# KiCad board fuyu.kicad_pcb (continued)
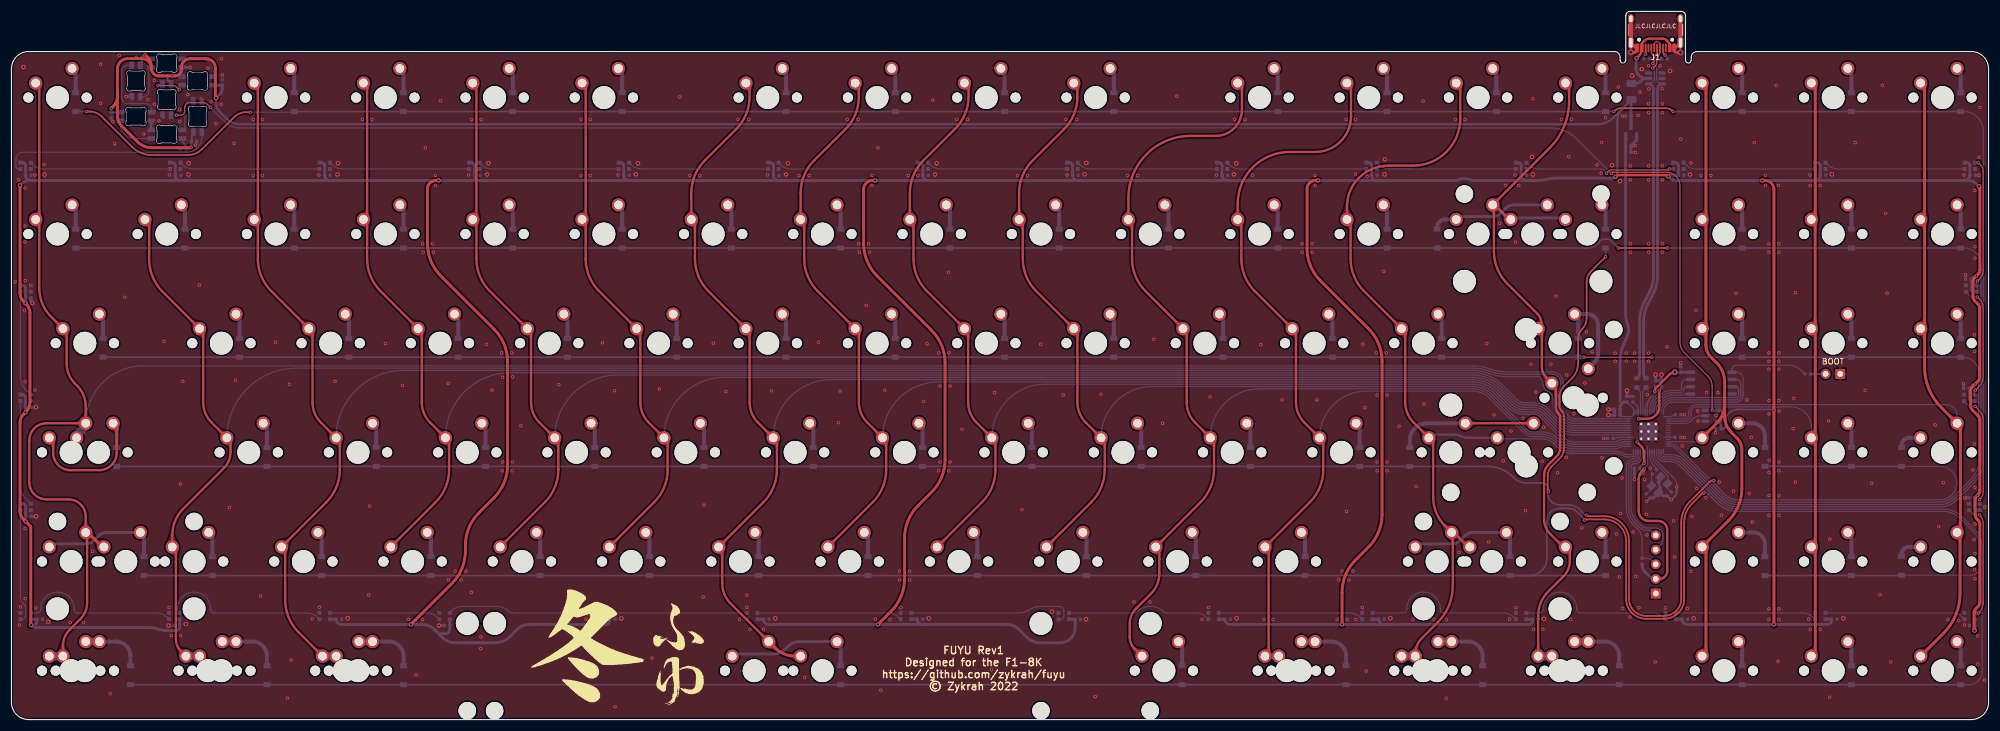
[diagram p0: board, top side]
## Copper pours and planes (outline as drawn; the poured copper is in the pictures) (continued)
SWD on Bottom: 285.25,32.91 285.41,32.9 285.52,32.85 285.61,32.78 285.67,32.69 285.7,32.57 285.73,32.45 285.75,32.31 285.77,32.16 285.8,32.01 285.85,31.86 286.96,31.87 286.65,33.01 286.47,33.02 286.33,33.02 286.2,33.03 286.09,33.05 285.86,33.08 285.74,33.09 285.6,33.1 285.44,33.11 285.25,33.11
XTAL_IN on Bottom: 288.5,42.7 288.6,42.57 288.67,42.45 288.69,42.34 288.68,42.22 288.64,42.1 288.57,41.99 288.49,41.87 288.4,41.75 288.3,41.63 288.2,41.5 288.61,40.84 289.09,41.57 288.98,41.7 288.92,41.82 288.89,41.94 288.88,42.06 288.88,42.19 288.88,42.31 288.86,42.44 288.83,42.57 288.75,42.71 288.63,42.84
XTAL_IN on Bottom: 289.06,40.14 288.99,40.22 288.96,40.29 288.95,40.36 288.96,40.43 288.98,40.5 289.02,40.56 289.07,40.64 289.12,40.71 289.17,40.79 289.21,40.88 288.67,41.44 288.25,40.71 288.33,40.63 288.4,40.56 288.46,40.49 288.68,40.25 288.74,40.18 288.82,40.09 288.92,40
~{RESET} on Bottom: 285.27,27.99 285.44,27.93 285.56,27.85 285.64,27.76 285.69,27.65 285.73,27.53 285.74,27.4 285.76,27.25 285.77,27.1 285.8,26.95 285.85,26.78 286.95,26.79 286.86,27.9 286.68,27.95 286.52,27.98 286.38,28 286.25,28.02 286,28.05 285.86,28.07 285.71,28.09 285.53,28.13 285.32,28.18
Net-(D1-Pad2) on Bottom: 11.55,111.5 11.55,111.79 11.57,112.04 11.59,112.26 11.61,112.44 11.63,112.62 11.66,112.79 11.68,112.96 11.7,113.15 11.71,113.37 11.72,113.62 10.25,114.1 9.98,112.63 10.13,112.54 10.27,112.46 10.4,112.38 10.51,112.3 10.61,112.22 10.69,112.12 10.76,112 10.81,111.86 10.84,111.7 10.85,111.5
Net-(D2-Pad2) on Bottom: 49.65,111.5 49.65,111.79 49.67,112.04 49.69,112.26 49.71,112.44 49.73,112.62 49.76,112.79 49.78,112.96 49.8,113.15 49.81,113.37 49.81,113.62 48.35,114.1 48.08,112.63 48.23,112.54 48.37,112.46 48.5,112.38 48.61,112.3 48.71,112.22 48.79,112.12 48.86,112 48.91,111.86 48.94,111.7 48.95,111.5
Net-(D3-Pad2) on Bottom: 68.7,111.5 68.7,111.79 68.72,112.04 68.74,112.26 68.76,112.44 68.78,112.62 68.81,112.79 68.83,112.96 68.85,113.15 68.86,113.37 68.87,113.62 67.4,114.1 67.13,112.63 67.28,112.54 67.42,112.46 67.55,112.38 67.66,112.3 67.76,112.22 67.84,112.12 67.91,112 67.96,111.86 67.99,111.7 68,111.5
Net-(D4-Pad2) on Bottom: 87.75,111.5 87.75,111.79 87.77,112.04 87.79,112.26 87.81,112.44 87.83,112.62 87.86,112.79 87.88,112.96 87.9,113.15 87.91,113.37 87.92,113.62 86.45,114.1 86.18,112.63 86.33,112.54 86.47,112.46 86.6,112.38 86.71,112.3 86.81,112.22 86.89,112.12 86.96,112 87.01,111.86 87.04,111.7 87.05,111.5
Net-(D5-Pad2) on Bottom: 106.8,111.5 106.8,111.79 106.82,112.04 106.84,112.26 106.86,112.44 106.88,112.62 106.91,112.79 106.93,112.96 106.95,113.15 106.96,113.37 106.96,113.62 105.5,114.1 105.23,112.63 105.38,112.54 105.52,112.46 105.65,112.38 105.76,112.3 105.86,112.22 105.94,112.12 106.01,112 106.06,111.86 106.09,111.7 106.1,111.5
Net-(D6-Pad2) on Bottom: 135.38,111.5 135.38,111.79 135.39,112.04 135.41,112.26 135.43,112.44 135.46,112.62 135.48,112.79 135.5,112.96 135.52,113.15 135.54,113.37 135.54,113.62 134.07,114.1 133.8,112.63 133.95,112.54 134.09,112.46 134.22,112.38 134.34,112.3 134.43,112.22 134.52,112.12 134.59,112 134.63,111.86 134.66,111.7 134.68,111.5
Net-(D7-Pad2) on Bottom: 154.43,111.5 154.43,111.79 154.44,112.04 154.46,112.26 154.48,112.44 154.51,112.62 154.53,112.79 154.55,112.96 154.57,113.15 154.59,113.37 154.59,113.62 153.12,114.1 152.85,112.63 153,112.54 153.14,112.46 153.27,112.38 153.39,112.3 153.48,112.22 153.57,112.12 153.64,112 153.68,111.86 153.71,111.7 153.73,111.5
Net-(D8-Pad2) on Bottom: 173.48,111.5 173.48,111.79 173.49,112.04 173.51,112.25 173.53,112.44 173.56,112.62 173.58,112.79 173.6,112.96 173.62,113.15 173.64,113.37 173.64,113.62 172.17,114.1 171.9,112.63 172.05,112.54 172.19,112.46 172.32,112.38 172.43,112.3 172.53,112.22 172.62,112.12 172.69,112 172.73,111.86 172.76,111.7 172.77,111.5
Net-(D9-Pad2) on Bottom: 192.52,111.5 192.53,111.79 192.54,112.04 192.56,112.25 192.58,112.44 192.61,112.62 192.63,112.79 192.65,112.96 192.67,113.15 192.69,113.37 192.69,113.62 191.22,114.1 190.95,112.63 191.1,112.54 191.24,112.46 191.37,112.38 191.48,112.3 191.58,112.22 191.67,112.12 191.74,112 191.78,111.86 191.81,111.7 191.82,111.5
Net-(D10-Pad2) on Bottom: 221.1,111.5 221.1,111.79 221.12,112.04 221.14,112.26 221.16,112.44 221.18,112.62 221.21,112.79 221.23,112.96 221.25,113.15 221.26,113.37 221.27,113.62 219.8,114.1 219.53,112.63 219.68,112.54 219.82,112.46 219.95,112.38 220.06,112.3 220.16,112.22 220.24,112.12 220.31,112 220.36,111.86 220.39,111.7 220.4,111.5
Net-(D11-Pad2) on Bottom: 240.15,111.5 240.15,111.79 240.17,112.04 240.19,112.26 240.21,112.44 240.23,112.62 240.26,112.79 240.28,112.96 240.3,113.15 240.31,113.37 240.31,113.62 238.85,114.1 238.58,112.63 238.73,112.54 238.87,112.46 239,112.38 239.11,112.3 239.21,112.22 239.29,112.12 239.36,112 239.41,111.86 239.44,111.7 239.45,111.5
Net-(D12-Pad2) on Bottom: 259.2,111.5 259.2,111.79 259.22,112.04 259.24,112.26 259.26,112.44 259.28,112.62 259.31,112.79 259.33,112.96 259.35,113.15 259.36,113.37 259.37,113.62 257.9,114.1 257.63,112.63 257.78,112.54 257.92,112.46 258.05,112.38 258.16,112.3 258.26,112.22 258.34,112.12 258.41,112 258.46,111.86 258.49,111.7 258.5,111.5
Net-(D13-Pad2) on Bottom: 278.25,111.5 278.25,111.79 278.27,112.04 278.29,112.26 278.31,112.44 278.33,112.62 278.36,112.79 278.38,112.96 278.4,113.15 278.41,113.37 278.42,113.62 276.95,114.1 276.68,112.63 276.83,112.54 276.97,112.46 277.1,112.38 277.21,112.3 277.31,112.22 277.39,112.12 277.46,112 277.51,111.86 277.54,111.7 277.55,111.5
Net-(D14-Pad2) on Bottom: 302.06,111.5 302.07,111.79 302.08,112.04 302.1,112.26 302.12,112.44 302.15,112.62 302.17,112.79 302.19,112.96 302.21,113.15 302.22,113.37 302.23,113.62 300.76,114.1 300.49,112.63 300.64,112.54 300.78,112.46 300.91,112.38 301.02,112.3 301.12,112.22 301.21,112.12 301.27,112 301.32,111.86 301.35,111.7 301.36,111.5
Net-(D15-Pad2) on Bottom: 321.11,111.5 321.12,111.79 321.13,112.04 321.15,112.26 321.17,112.44 321.19,112.62 321.22,112.79 321.24,112.96 321.26,113.15 321.27,113.37 321.28,113.62 319.81,114.1 319.54,112.63 319.69,112.54 319.83,112.46 319.96,112.38 320.07,112.3 320.17,112.22 320.26,112.12 320.32,112 320.37,111.86 320.4,111.7 320.41,111.5
Net-(D16-Pad2) on Bottom: 340.16,111.5 340.17,111.79 340.18,112.04 340.2,112.26 340.22,112.44 340.25,112.62 340.27,112.79 340.29,112.96 340.31,113.15 340.32,113.37 340.33,113.62 338.86,114.1 338.59,112.63 338.74,112.54 338.88,112.46 339.01,112.38 339.12,112.3 339.22,112.22 339.31,112.12 339.37,112 339.42,111.86 339.45,111.7 339.46,111.5
Net-(D17-Pad2) on Bottom: 11.55,87.69 11.55,87.98 11.57,88.23 11.59,88.44 11.61,88.63 11.63,88.8 11.66,88.97 11.68,89.15 11.7,89.34 11.71,89.55 11.72,89.81 10.25,90.29 9.98,88.82 10.13,88.73 10.27,88.65 10.4,88.57 10.51,88.49 10.61,88.4 10.69,88.3 10.76,88.19 10.81,88.05 10.84,87.89 10.85,87.69
Net-(D18-Pad2) on Bottom: 30.6,87.69 30.6,87.98 30.62,88.23 30.64,88.44 30.66,88.63 30.68,88.8 30.71,88.97 30.73,89.15 30.75,89.34 30.76,89.55 30.77,89.81 29.3,90.29 29.03,88.82 29.18,88.73 29.32,88.65 29.45,88.57 29.56,88.49 29.66,88.4 29.74,88.3 29.81,88.19 29.86,88.05 29.89,87.89 29.9,87.69
Net-(D19-Pad2) on Bottom: 49.65,87.69 49.65,87.98 49.67,88.23 49.69,88.44 49.71,88.63 49.73,88.8 49.76,88.97 49.78,89.15 49.8,89.34 49.81,89.55 49.81,89.81 48.35,90.29 48.08,88.82 48.23,88.73 48.37,88.65 48.5,88.57 48.61,88.49 48.71,88.4 48.79,88.3 48.86,88.19 48.91,88.05 48.94,87.89 48.95,87.69
Net-(D20-Pad2) on Bottom: 68.7,87.69 68.7,87.98 68.72,88.23 68.74,88.44 68.76,88.63 68.78,88.8 68.81,88.97 68.83,89.15 68.85,89.34 68.86,89.55 68.87,89.81 67.4,90.29 67.13,88.82 67.28,88.73 67.42,88.65 67.55,88.57 67.66,88.49 67.76,88.4 67.84,88.3 67.91,88.19 67.96,88.05 67.99,87.89 68,87.69
Net-(D21-Pad2) on Bottom: 87.75,87.69 87.75,87.98 87.77,88.23 87.79,88.44 87.81,88.63 87.83,88.8 87.86,88.97 87.88,89.15 87.9,89.34 87.91,89.55 87.92,89.81 86.45,90.29 86.18,88.82 86.33,88.73 86.47,88.65 86.6,88.57 86.71,88.49 86.81,88.4 86.89,88.3 86.96,88.19 87.01,88.05 87.04,87.89 87.05,87.69
Net-(D22-Pad2) on Bottom: 106.8,87.69 106.8,87.98 106.82,88.23 106.84,88.44 106.86,88.63 106.88,88.8 106.91,88.97 106.93,89.15 106.95,89.34 106.96,89.55 106.96,89.81 105.5,90.29 105.23,88.82 105.38,88.73 105.52,88.65 105.65,88.57 105.76,88.49 105.86,88.4 105.94,88.3 106.01,88.19 106.06,88.05 106.09,87.89 106.1,87.69
Net-(D23-Pad2) on Bottom: 125.85,87.69 125.85,87.98 125.87,88.23 125.89,88.44 125.91,88.63 125.93,88.8 125.96,88.97 125.98,89.15 126,89.34 126.01,89.55 126.02,89.81 124.55,90.29 124.28,88.82 124.43,88.73 124.57,88.65 124.7,88.57 124.81,88.49 124.91,88.4 124.99,88.3 125.06,88.19 125.11,88.05 125.14,87.89 125.15,87.69
Net-(D24-Pad2) on Bottom: 144.9,87.69 144.9,87.98 144.92,88.23 144.94,88.44 144.96,88.63 144.98,88.8 145.01,88.97 145.03,89.15 145.05,89.34 145.06,89.55 145.06,89.81 143.6,90.29 143.33,88.82 143.48,88.73 143.62,88.65 143.75,88.57 143.86,88.49 143.96,88.4 144.04,88.3 144.11,88.19 144.16,88.05 144.19,87.89 144.2,87.69
Net-(D25-Pad2) on Bottom: 163.95,87.69 163.95,87.98 163.97,88.23 163.99,88.44 164.01,88.63 164.03,88.8 164.06,88.97 164.08,89.15 164.1,89.34 164.11,89.55 164.12,89.81 162.65,90.29 162.38,88.82 162.53,88.73 162.67,88.65 162.8,88.57 162.91,88.49 163.01,88.4 163.09,88.3 163.16,88.19 163.21,88.05 163.24,87.89 163.25,87.69
Net-(D26-Pad2) on Bottom: 183,87.69 183,87.98 183.02,88.23 183.04,88.44 183.06,88.63 183.08,88.8 183.11,88.97 183.13,89.15 183.15,89.34 183.16,89.55 183.17,89.81 181.7,90.29 181.43,88.82 181.58,88.73 181.72,88.65 181.85,88.57 181.96,88.49 182.06,88.4 182.14,88.3 182.21,88.19 182.26,88.05 182.29,87.89 182.3,87.69
Net-(D27-Pad2) on Bottom: 202.05,87.69 202.05,87.98 202.07,88.23 202.09,88.44 202.11,88.63 202.13,88.8 202.16,88.97 202.18,89.15 202.2,89.34 202.21,89.55 202.21,89.81 200.75,90.29 200.48,88.82 200.63,88.73 200.77,88.65 200.9,88.57 201.01,88.49 201.11,88.4 201.19,88.3 201.26,88.19 201.31,88.05 201.34,87.89 201.35,87.69
Net-(D28-Pad2) on Bottom: 221.1,87.69 221.1,87.98 221.12,88.23 221.14,88.44 221.16,88.63 221.18,88.8 221.21,88.97 221.23,89.15 221.25,89.34 221.26,89.55 221.27,89.81 219.8,90.29 219.53,88.82 219.68,88.73 219.82,88.65 219.95,88.57 220.06,88.49 220.16,88.4 220.24,88.3 220.31,88.19 220.36,88.05 220.39,87.89 220.4,87.69
Net-(D29-Pad2) on Bottom: 240.15,87.69 240.15,87.98 240.17,88.23 240.19,88.44 240.21,88.63 240.23,88.8 240.26,88.97 240.28,89.15 240.3,89.34 240.31,89.55 240.31,89.81 238.85,90.29 238.58,88.82 238.73,88.73 238.87,88.65 239,88.57 239.11,88.49 239.21,88.4 239.29,88.3 239.36,88.19 239.41,88.05 239.44,87.89 239.45,87.69
Net-(D30-Pad2) on Bottom: 249.13,86.57 249.35,86.78 249.56,86.91 249.77,86.95 249.99,86.94 250.2,86.88 250.41,86.78 250.64,86.65 250.87,86.51 251.11,86.37 251.36,86.23 252.44,87.27 251,88.02 250.78,87.82 250.55,87.69 250.32,87.62 250.09,87.59 249.85,87.58 249.6,87.56 249.36,87.52 249.11,87.43 248.86,87.28 248.6,87.03
Net-(D30-Pad2) on Bottom: 265.45,89.56 265.72,89.54 265.94,89.51 266.12,89.46 266.28,89.39 266.42,89.3 266.56,89.21 266.7,89.1 266.85,88.99 267.03,88.88 267.24,88.77 268.31,89.81 267.24,90.84 267.03,90.73 266.85,90.62 266.7,90.51 266.56,90.4 266.42,90.31 266.28,90.22 266.12,90.15 265.94,90.1 265.72,90.07 265.45,90.06
Net-(D30-Pad2) on Bottom: 254.05,88.04 253.74,88.05 253.49,88.08 253.27,88.12 253.08,88.17 252.9,88.23 252.73,88.28 252.55,88.33 252.36,88.38 252.13,88.4 251.87,88.42 251.35,87.01 252.78,86.57 252.9,86.73 253,86.88 253.09,87.02 253.18,87.15 253.27,87.26 253.38,87.36 253.5,87.43 253.65,87.49 253.83,87.53 254.05,87.54
Net-(D30-Pad2) on Bottom: 248.33,86.61 248.29,86.5 248.25,86.4 248.23,86.31 248.22,86.22 248.21,86.14 248.2,86.06 248.19,85.99 248.18,85.92 248.16,85.86 248.14,85.8 248.52,85.36 248.94,85.76 248.93,85.8 248.91,85.85 248.9,85.9 248.89,85.95 248.89,86 248.89,86.06 248.9,86.12 248.92,86.18 248.94,86.25 248.97,86.33
Net-(D31-Pad2) on Bottom: 278.25,87.69 278.25,87.98 278.27,88.23 278.29,88.44 278.31,88.63 278.33,88.8 278.36,88.97 278.38,89.15 278.4,89.34 278.41,89.55 278.42,89.81 276.95,90.29 276.68,88.82 276.83,88.73 276.97,88.65 277.1,88.57 277.21,88.49 277.31,88.4 277.39,88.3 277.46,88.19 277.51,88.05 277.54,87.89 277.55,87.69
Net-(D32-Pad2) on Bottom: 302.06,87.69 302.07,87.98 302.08,88.23 302.1,88.44 302.12,88.63 302.15,88.8 302.17,88.97 302.19,89.15 302.21,89.34 302.22,89.55 302.23,89.81 300.76,90.29 300.49,88.82 300.64,88.73 300.78,88.65 300.91,88.57 301.02,88.49 301.12,88.4 301.21,88.3 301.27,88.19 301.32,88.05 301.35,87.89 301.36,87.69
Net-(D33-Pad2) on Bottom: 321.11,87.69 321.12,87.98 321.13,88.23 321.15,88.44 321.17,88.63 321.19,88.8 321.22,88.97 321.24,89.15 321.26,89.34 321.27,89.55 321.28,89.81 319.81,90.29 319.54,88.82 319.69,88.73 319.83,88.65 319.96,88.57 320.07,88.49 320.17,88.4 320.26,88.3 320.32,88.19 320.37,88.05 320.4,87.89 320.41,87.69
Net-(D34-Pad2) on Bottom: 340.16,87.69 340.17,87.98 340.18,88.23 340.2,88.44 340.22,88.63 340.25,88.8 340.27,88.97 340.29,89.15 340.31,89.34 340.32,89.55 340.33,89.81 338.86,90.29 338.59,88.82 338.74,88.73 338.88,88.65 339.01,88.57 339.12,88.49 339.22,88.4 339.31,88.3 339.37,88.19 339.42,88.05 339.45,87.89 339.46,87.69
Net-(D35-Pad2) on Bottom: 16.31,68.64 16.32,68.93 16.33,69.18 16.35,69.39 16.37,69.58 16.4,69.75 16.42,69.92 16.44,70.1 16.46,70.29 16.47,70.5 16.48,70.76 15.01,71.24 14.74,69.77 14.89,69.68 15.03,69.6 15.16,69.52 15.27,69.44 15.37,69.35 15.46,69.25 15.52,69.14 15.57,69 15.6,68.84 15.61,68.64
Net-(D36-Pad2) on Bottom: 40.12,68.64 40.13,68.93 40.14,69.18 40.16,69.39 40.18,69.58 40.21,69.75 40.23,69.92 40.25,70.1 40.27,70.29 40.29,70.5 40.29,70.76 38.82,71.24 38.55,69.77 38.7,69.68 38.84,69.6 38.97,69.52 39.09,69.44 39.18,69.35 39.27,69.25 39.34,69.14 39.38,69 39.41,68.84 39.42,68.64
Net-(D37-Pad2) on Bottom: 59.17,68.64 59.18,68.93 59.19,69.18 59.21,69.39 59.23,69.58 59.26,69.75 59.28,69.92 59.3,70.1 59.32,70.29 59.34,70.5 59.34,70.76 57.87,71.24 57.6,69.77 57.75,69.68 57.89,69.6 58.02,69.52 58.14,69.44 58.23,69.35 58.32,69.25 58.39,69.14 58.43,69 58.46,68.84 58.48,68.64
Net-(D38-Pad2) on Bottom: 78.23,68.64 78.23,68.93 78.24,69.18 78.26,69.39 78.28,69.58 78.31,69.75 78.33,69.92 78.35,70.1 78.37,70.29 78.39,70.5 78.39,70.76 76.92,71.24 76.65,69.77 76.8,69.68 76.94,69.6 77.07,69.52 77.19,69.44 77.28,69.35 77.37,69.25 77.44,69.14 77.48,69 77.51,68.84 77.53,68.64
Net-(D39-Pad2) on Bottom: 97.27,68.64 97.28,68.93 97.29,69.18 97.31,69.39 97.33,69.58 97.36,69.75 97.38,69.92 97.4,70.1 97.42,70.29 97.44,70.5 97.44,70.76 95.97,71.24 95.7,69.77 95.85,69.68 95.99,69.6 96.12,69.52 96.24,69.44 96.33,69.35 96.42,69.25 96.49,69.14 96.53,69 96.56,68.84 96.58,68.64
Net-(D40-Pad2) on Bottom: 116.33,68.64 116.33,68.93 116.34,69.18 116.36,69.39 116.38,69.58 116.41,69.75 116.43,69.92 116.45,70.1 116.47,70.29 116.49,70.5 116.49,70.76 115.02,71.24 114.75,69.77 114.9,69.68 115.04,69.6 115.17,69.52 115.29,69.44 115.38,69.35 115.47,69.25 115.54,69.14 115.58,69 115.61,68.84 115.63,68.64
Net-(D41-Pad2) on Bottom: 135.38,68.64 135.38,68.93 135.39,69.18 135.41,69.39 135.43,69.58 135.46,69.75 135.48,69.92 135.5,70.1 135.52,70.29 135.54,70.5 135.54,70.76 134.07,71.24 133.8,69.77 133.95,69.68 134.09,69.6 134.22,69.52 134.34,69.44 134.43,69.35 134.52,69.25 134.59,69.14 134.63,69 134.66,68.84 134.68,68.64
Net-(D42-Pad2) on Bottom: 154.43,68.64 154.43,68.93 154.44,69.18 154.46,69.39 154.48,69.58 154.51,69.75 154.53,69.92 154.55,70.1 154.57,70.29 154.59,70.5 154.59,70.76 153.12,71.24 152.85,69.77 153,69.68 153.14,69.6 153.27,69.52 153.39,69.44 153.48,69.35 153.57,69.25 153.64,69.14 153.68,69 153.71,68.84 153.73,68.64
Net-(D43-Pad2) on Bottom: 173.48,68.64 173.48,68.93 173.49,69.18 173.51,69.39 173.53,69.58 173.56,69.75 173.58,69.92 173.6,70.1 173.62,70.29 173.64,70.5 173.64,70.76 172.17,71.24 171.9,69.77 172.05,69.68 172.19,69.6 172.32,69.52 172.44,69.44 172.53,69.35 172.62,69.25 172.69,69.14 172.73,69 172.76,68.84 172.77,68.64
Net-(D44-Pad2) on Bottom: 192.52,68.64 192.53,68.93 192.54,69.18 192.56,69.39 192.58,69.58 192.61,69.75 192.63,69.92 192.65,70.1 192.67,70.29 192.69,70.5 192.69,70.76 191.22,71.24 190.95,69.77 191.1,69.68 191.24,69.6 191.37,69.52 191.49,69.44 191.58,69.35 191.67,69.25 191.74,69.14 191.78,69 191.81,68.84 191.82,68.64
Net-(D45-Pad2) on Bottom: 211.57,68.64 211.58,68.93 211.59,69.18 211.61,69.39 211.63,69.58 211.66,69.75 211.68,69.92 211.7,70.1 211.72,70.29 211.74,70.5 211.74,70.76 210.27,71.24 210,69.77 210.15,69.68 210.29,69.6 210.42,69.52 210.54,69.44 210.63,69.35 210.72,69.25 210.79,69.14 210.83,69 210.86,68.84 210.88,68.64
Net-(D46-Pad2) on Bottom: 230.62,68.64 230.63,68.93 230.64,69.18 230.66,69.39 230.68,69.58 230.71,69.75 230.73,69.92 230.75,70.1 230.77,70.29 230.79,70.5 230.79,70.76 229.32,71.24 229.05,69.77 229.2,69.68 229.34,69.6 229.47,69.52 229.59,69.44 229.68,69.35 229.77,69.25 229.84,69.14 229.88,69 229.91,68.84 229.93,68.64
Net-(D47-Pad2) on Bottom: 249.68,68.64 249.68,68.93 249.69,69.18 249.71,69.39 249.73,69.58 249.76,69.75 249.78,69.92 249.8,70.1 249.82,70.29 249.84,70.5 249.84,70.76 248.37,71.24 248.1,69.77 248.25,69.68 248.39,69.6 248.52,69.52 248.64,69.44 248.73,69.35 248.82,69.25 248.89,69.14 248.93,69 248.96,68.84 248.98,68.64
Net-(D48-Pad2) on Bottom: 275.98,70.71 275.63,70.92 275.32,71.07 275.03,71.16 274.76,71.21 274.5,71.25 274.25,71.28 274,71.33 273.74,71.4 273.46,71.52 273.16,71.7 271.93,70.76 273,69.72 273.29,69.87 273.56,70.02 273.8,70.16 274.04,70.29 274.27,70.39 274.5,70.45 274.74,70.46 275,70.42 275.28,70.31 275.58,70.13
Net-(D48-Pad2) on Bottom: 273.49,68.64 273.49,68.93 273.5,69.18 273.52,69.39 273.55,69.58 273.57,69.75 273.59,69.92 273.62,70.1 273.64,70.29 273.65,70.5 273.65,70.76 272.19,71.24 271.91,69.77 272.07,69.68 272.21,69.6 272.33,69.52 272.45,69.44 272.55,69.35 272.63,69.25 272.7,69.14 272.75,69 272.78,68.84 272.79,68.64
Net-(D48-Pad2) on Bottom: 276.18,63.35 276.08,63.1 275.97,62.91 275.84,62.77 275.7,62.66 275.54,62.59 275.36,62.53 275.17,62.48 274.96,62.44 274.74,62.39 274.51,62.32 274.48,60.82 275.99,60.91 276.07,61.18 276.16,61.41 276.24,61.61 276.32,61.79 276.4,61.97 276.48,62.15 276.57,62.35 276.66,62.57 276.75,62.84 276.85,63.16
Net-(D49-Pad2) on Bottom: 302.06,68.64 302.07,68.93 302.08,69.18 302.1,69.39 302.12,69.58 302.15,69.75 302.17,69.92 302.19,70.1 302.21,70.29 302.22,70.5 302.23,70.76 300.76,71.24 300.49,69.77 300.64,69.68 300.78,69.6 300.91,69.52 301.02,69.44 301.12,69.35 301.21,69.25 301.27,69.14 301.32,69 301.35,68.84 301.36,68.64
Net-(D50-Pad2) on Bottom: 321.11,68.64 321.12,68.93 321.13,69.18 321.15,69.39 321.17,69.58 321.19,69.75 321.22,69.92 321.24,70.1 321.26,70.29 321.27,70.5 321.28,70.76 319.81,71.24 319.54,69.77 319.69,69.68 319.83,69.6 319.96,69.52 320.07,69.44 320.17,69.35 320.26,69.25 320.32,69.14 320.37,69 320.4,68.84 320.41,68.64
Net-(D51-Pad2) on Bottom: 340.16,68.64 340.17,68.93 340.18,69.18 340.2,69.39 340.22,69.58 340.25,69.75 340.27,69.92 340.29,70.1 340.31,70.29 340.32,70.5 340.33,70.76 338.86,71.24 338.59,69.77 338.74,69.68 338.88,69.6 339.01,69.52 339.12,69.44 339.22,69.35 339.31,69.25 339.37,69.14 339.42,69 339.45,68.84 339.46,68.64
Net-(D52-Pad2) on Top: 18.55,49.59 18.55,49.88 18.58,50.13 18.61,50.34 18.66,50.52 18.7,50.7 18.75,50.86 18.79,51.04 18.83,51.23 18.85,51.45 18.86,51.7 17.39,52.19 17.12,50.72 17.29,50.62 17.6,50.47 17.73,50.39 17.85,50.31 17.95,50.22 18.03,50.1 18.09,49.97 18.13,49.8 18.15,49.59
Net-(D52-Pad2) on Top: 7.48,47.09 7.49,47.37 7.51,47.62 7.54,47.82 7.58,48.01 7.62,48.17 7.65,48.34 7.69,48.51 7.72,48.7 7.74,48.91 7.75,49.17 6.25,49.63 6.06,48.15 6.23,48.06 6.54,47.92 6.67,47.86 6.79,47.78 6.89,47.69 6.97,47.58 7.03,47.45 7.07,47.29 7.09,47.09
Net-(D52-Pad2) on Bottom: 18.69,49.59 18.7,49.88 18.71,50.13 18.73,50.34 18.75,50.53 18.78,50.7 18.8,50.87 18.82,51.05 18.84,51.24 18.85,51.45 18.86,51.7 17.39,52.19 17.12,50.72 17.27,50.63 17.41,50.55 17.54,50.47 17.65,50.39 17.75,50.3 17.84,50.2 17.9,50.09 17.95,49.95 17.98,49.79 17.99,49.59
Net-(D53-Pad2) on Bottom: 44.89,49.59 44.89,49.88 44.9,50.13 44.92,50.34 44.95,50.53 44.97,50.7 44.99,50.87 45.02,51.05 45.04,51.24 45.05,51.45 45.05,51.7 43.59,52.19 43.31,50.72 43.47,50.63 43.61,50.55 43.73,50.47 43.85,50.39 43.95,50.3 44.03,50.2 44.1,50.09 44.15,49.95 44.18,49.79 44.19,49.59
Net-(D54-Pad2) on Bottom: 63.94,49.59 63.94,49.88 63.95,50.13 63.97,50.34 64,50.53 64.02,50.7 64.04,50.87 64.07,51.05 64.09,51.24 64.1,51.45 64.1,51.7 62.64,52.19 62.36,50.72 62.52,50.63 62.66,50.55 62.78,50.47 62.9,50.39 63,50.3 63.08,50.2 63.15,50.09 63.2,49.95 63.23,49.79 63.24,49.59
Net-(D55-Pad2) on Bottom: 82.99,49.59 82.99,49.88 83,50.13 83.02,50.34 83.05,50.53 83.07,50.7 83.09,50.87 83.12,51.05 83.14,51.24 83.15,51.45 83.15,51.7 81.69,52.19 81.41,50.72 81.57,50.63 81.71,50.55 81.83,50.47 81.95,50.39 82.05,50.3 82.13,50.2 82.2,50.09 82.25,49.95 82.28,49.79 82.29,49.59
Net-(D56-Pad2) on Bottom: 102.04,49.59 102.04,49.88 102.05,50.13 102.07,50.34 102.1,50.53 102.12,50.7 102.14,50.87 102.17,51.05 102.19,51.24 102.2,51.45 102.2,51.7 100.74,52.19 100.46,50.72 100.62,50.63 100.76,50.55 100.88,50.47 101,50.39 101.1,50.3 101.18,50.2 101.25,50.09 101.3,49.95 101.33,49.79 101.34,49.59
Net-(D57-Pad2) on Bottom: 121.09,49.59 121.09,49.88 121.1,50.13 121.12,50.34 121.15,50.53 121.17,50.7 121.19,50.87 121.22,51.05 121.24,51.24 121.25,51.45 121.25,51.7 119.79,52.19 119.51,50.72 119.67,50.63 119.81,50.55 119.93,50.47 120.05,50.39 120.15,50.3 120.23,50.2 120.3,50.09 120.35,49.95 120.38,49.79 120.39,49.59
Net-(D58-Pad2) on Bottom: 140.14,49.59 140.14,49.88 140.15,50.13 140.17,50.34 140.2,50.53 140.22,50.7 140.24,50.87 140.27,51.05 140.29,51.24 140.3,51.45 140.3,51.7 138.84,52.19 138.56,50.72 138.72,50.63 138.86,50.55 138.98,50.47 139.1,50.39 139.2,50.3 139.28,50.2 139.35,50.09 139.4,49.95 139.43,49.79 139.44,49.59
Net-(D59-Pad2) on Bottom: 159.19,49.59 159.19,49.88 159.2,50.13 159.22,50.34 159.25,50.53 159.27,50.7 159.29,50.87 159.32,51.05 159.34,51.24 159.35,51.45 159.35,51.7 157.89,52.19 157.61,50.72 157.77,50.63 157.91,50.55 158.03,50.47 158.15,50.39 158.25,50.3 158.33,50.2 158.4,50.09 158.45,49.95 158.48,49.79 158.49,49.59
Net-(D60-Pad2) on Bottom: 178.24,49.59 178.24,49.88 178.25,50.13 178.27,50.34 178.3,50.53 178.32,50.7 178.34,50.87 178.37,51.05 178.39,51.24 178.4,51.45 178.4,51.7 176.94,52.19 176.66,50.72 176.82,50.63 176.96,50.55 177.08,50.47 177.2,50.39 177.3,50.3 177.38,50.2 177.45,50.09 177.5,49.95 177.53,49.79 177.54,49.59
Net-(D61-Pad2) on Bottom: 197.29,49.59 197.29,49.88 197.3,50.13 197.32,50.34 197.35,50.53 197.37,50.7 197.39,50.87 197.42,51.05 197.44,51.24 197.45,51.45 197.45,51.7 195.99,52.19 195.71,50.72 195.87,50.63 196.01,50.55 196.13,50.47 196.25,50.39 196.35,50.3 196.43,50.2 196.5,50.09 196.55,49.95 196.58,49.79 196.59,49.59
Net-(D62-Pad2) on Bottom: 216.34,49.59 216.34,49.88 216.35,50.13 216.37,50.34 216.4,50.53 216.42,50.7 216.44,50.87 216.47,51.05 216.49,51.24 216.5,51.45 216.5,51.7 215.04,52.19 214.76,50.72 214.92,50.63 215.06,50.55 215.18,50.47 215.3,50.39 215.4,50.3 215.48,50.2 215.55,50.09 215.6,49.95 215.63,49.79 215.64,49.59
Net-(D63-Pad2) on Bottom: 235.39,49.59 235.39,49.88 235.4,50.13 235.42,50.34 235.45,50.53 235.47,50.7 235.49,50.87 235.52,51.05 235.54,51.24 235.55,51.45 235.55,51.7 234.09,52.19 233.81,50.72 233.97,50.63 234.11,50.55 234.23,50.47 234.35,50.39 234.45,50.3 234.53,50.2 234.6,50.09 234.65,49.95 234.68,49.79 234.69,49.59
Net-(D64-Pad2) on Top: 255.74,51.91 255.47,51.92 255.25,51.96 255.07,52.01 254.91,52.09 254.77,52.18 254.64,52.28 254.5,52.39 254.34,52.51 254.17,52.62 253.95,52.74 252.88,51.7 253.95,50.67 254.17,50.79 254.34,50.9 254.5,51.02 254.64,51.13 254.77,51.23 254.91,51.32 255.07,51.4 255.25,51.45 255.47,51.49 255.74,51.51
Net-(D64-Pad2) on Top: 263.07,51.51 263.34,51.49 263.56,51.45 263.74,51.4 263.9,51.32 264.04,51.23 264.17,51.13 264.31,51.02 264.47,50.9 264.64,50.79 264.86,50.67 265.93,51.7 264.86,52.74 264.64,52.62 264.47,52.51 264.31,52.39 264.17,52.28 264.04,52.18 263.9,52.09 263.74,52.01 263.56,51.96 263.34,51.92 263.07,51.91
Net-(D64-Pad2) on Bottom: 251.16,51.36 251.43,51.35 251.65,51.32 251.83,51.27 251.99,51.22 252.14,51.15 252.28,51.07 252.57,50.88 252.75,50.78 252.95,50.67 254.03,51.7 252.95,52.74 252.75,52.63 252.57,52.53 252.28,52.34 252.14,52.26 251.99,52.19 251.83,52.14 251.65,52.09 251.43,52.06 251.16,52.06
Net-(D65-Pad2) on Bottom: 303.37,52.06 303.1,52.06 302.88,52.09 302.7,52.14 302.54,52.19 302.39,52.26 302.25,52.34 301.96,52.53 301.78,52.63 301.58,52.74 300.5,51.7 301.58,50.67 301.78,50.78 301.96,50.88 302.25,51.07 302.39,51.15 302.54,51.22 302.7,51.27 302.88,51.32 303.1,51.35 303.37,51.36
Net-(D66-Pad2) on Bottom: 321.11,49.59 321.12,49.88 321.13,50.13 321.15,50.34 321.17,50.53 321.19,50.7 321.22,50.87 321.24,51.05 321.26,51.24 321.27,51.45 321.28,51.7 319.81,52.19 319.54,50.72 319.69,50.63 319.83,50.55 319.96,50.47 320.07,50.39 320.17,50.3 320.26,50.2 320.32,50.09 320.37,49.95 320.4,49.79 320.41,49.59
Net-(D67-Pad2) on Bottom: 329.3,48.52 329.25,48.41 329.22,48.31 329.2,48.21 329.18,48.12 329.17,48.04 329.17,47.96 329.16,47.89 329.14,47.82 329.13,47.76 329.1,47.7 329.48,47.26 329.91,47.66 329.89,47.7 329.88,47.75 329.86,47.8 329.86,47.85 329.85,47.9 329.86,47.96 329.86,48.02 329.88,48.08 329.9,48.15 329.93,48.23
Net-(D67-Pad2) on Bottom: 330.09,48.47 330.31,48.68 330.53,48.8 330.74,48.85 330.95,48.84 331.16,48.78 331.38,48.68 331.6,48.55 331.83,48.41 332.07,48.27 332.33,48.13 333.4,49.17 331.96,49.92 331.74,49.72 331.52,49.59 331.28,49.53 331.05,49.5 330.81,49.48 330.57,49.46 330.32,49.42 330.07,49.33 329.82,49.18 329.57,48.94
Net-(D68-Pad2) on Bottom: 23.46,30.54 23.46,30.83 23.47,31.08 23.49,31.29 23.51,31.48 23.54,31.65 23.56,31.82 23.59,32 23.6,32.19 23.62,32.4 23.62,32.66 22.16,33.14 21.88,31.67 22.03,31.58 22.17,31.5 22.3,31.42 22.42,31.34 22.52,31.25 22.6,31.15 22.67,31.04 22.72,30.9 22.75,30.74 22.76,30.54
Net-(D68-Pad2) on Bottom: 20.18,32.41 20.45,32.39 20.67,32.36 20.85,32.31 21.01,32.24 21.15,32.15 21.29,32.06 21.43,31.95 21.58,31.84 21.76,31.73 21.97,31.62 23.05,32.66 21.97,33.69 21.76,33.58 21.58,33.47 21.43,33.36 21.29,33.25 21.15,33.16 21.01,33.07 20.85,33 20.67,32.95 20.45,32.92 20.18,32.91
Net-(D68-Pad2) on Bottom: 8.77,30.91 8.47,30.92 8.21,30.94 8,30.98 7.8,31.03 7.63,31.09 7.46,31.14 7.28,31.19 7.09,31.23 6.86,31.25 6.6,31.26 6.09,29.85 7.52,29.44 7.64,29.6 7.73,29.75 7.82,29.89 7.91,30.02 8,30.13 8.11,30.23 8.23,30.3 8.38,30.36 8.55,30.4 8.77,30.41
Net-(D69-Pad2) on Bottom: 35.36,30.54 35.37,30.83 35.38,31.08 35.4,31.29 35.42,31.48 35.45,31.65 35.47,31.82 35.49,32 35.51,32.19 35.52,32.4 35.53,32.66 34.06,33.14 33.79,31.67 33.94,31.58 34.08,31.5 34.21,31.42 34.32,31.34 34.42,31.25 34.51,31.15 34.57,31.04 34.62,30.9 34.65,30.74 34.66,30.54
Net-(D70-Pad2) on Bottom: 54.41,30.54 54.42,30.83 54.43,31.08 54.45,31.29 54.47,31.48 54.5,31.65 54.52,31.82 54.54,32 54.56,32.19 54.57,32.4 54.58,32.66 53.11,33.14 52.84,31.67 52.99,31.58 53.13,31.5 53.26,31.42 53.37,31.34 53.47,31.25 53.56,31.15 53.62,31.04 53.67,30.9 53.7,30.74 53.71,30.54
Net-(D71-Pad2) on Bottom: 73.46,30.54 73.47,30.83 73.48,31.08 73.5,31.29 73.52,31.48 73.55,31.65 73.57,31.82 73.59,32 73.61,32.19 73.62,32.4 73.63,32.66 72.16,33.14 71.89,31.67 72.04,31.58 72.18,31.5 72.31,31.42 72.42,31.34 72.52,31.25 72.61,31.15 72.67,31.04 72.72,30.9 72.75,30.74 72.76,30.54
Net-(D72-Pad2) on Bottom: 92.51,30.54 92.52,30.83 92.53,31.08 92.55,31.29 92.57,31.48 92.6,31.65 92.62,31.82 92.64,32 92.66,32.19 92.67,32.4 92.68,32.66 91.21,33.14 90.94,31.67 91.09,31.58 91.23,31.5 91.36,31.42 91.47,31.34 91.57,31.25 91.66,31.15 91.72,31.04 91.77,30.9 91.8,30.74 91.81,30.54
Net-(D73-Pad2) on Bottom: 111.56,30.54 111.57,30.83 111.58,31.08 111.6,31.29 111.62,31.48 111.64,31.65 111.67,31.82 111.69,32 111.71,32.19 111.72,32.4 111.73,32.66 110.26,33.14 109.99,31.67 110.14,31.58 110.28,31.5 110.41,31.42 110.52,31.34 110.62,31.25 110.71,31.15 110.77,31.04 110.82,30.9 110.85,30.74 110.86,30.54
Net-(D74-Pad2) on Bottom: 130.61,30.54 130.62,30.83 130.63,31.08 130.65,31.29 130.67,31.48 130.69,31.65 130.72,31.82 130.74,32 130.76,32.19 130.77,32.4 130.78,32.66 129.31,33.14 129.04,31.67 129.19,31.58 129.33,31.5 129.46,31.42 129.57,31.34 129.67,31.25 129.76,31.15 129.82,31.04 129.87,30.9 129.9,30.74 129.91,30.54
Net-(D75-Pad2) on Bottom: 149.66,30.54 149.67,30.83 149.68,31.08 149.7,31.29 149.72,31.48 149.75,31.65 149.77,31.82 149.79,32 149.81,32.19 149.82,32.4 149.83,32.66 148.36,33.14 148.09,31.67 148.24,31.58 148.38,31.5 148.51,31.42 148.62,31.34 148.72,31.25 148.81,31.15 148.87,31.04 148.92,30.9 148.95,30.74 148.96,30.54
Net-(D76-Pad2) on Bottom: 168.71,30.54 168.72,30.83 168.73,31.08 168.75,31.29 168.77,31.48 168.8,31.65 168.82,31.82 168.84,32 168.86,32.19 168.87,32.4 168.88,32.66 167.41,33.14 167.14,31.67 167.29,31.58 167.43,31.5 167.56,31.42 167.67,31.34 167.77,31.25 167.86,31.15 167.92,31.04 167.97,30.9 168,30.74 168.01,30.54
Net-(D77-Pad2) on Bottom: 187.76,30.54 187.77,30.83 187.78,31.08 187.8,31.29 187.82,31.48 187.85,31.65 187.87,31.82 187.89,32 187.91,32.19 187.92,32.4 187.93,32.66 186.46,33.14 186.19,31.67 186.34,31.58 186.48,31.5 186.61,31.42 186.72,31.34 186.82,31.25 186.91,31.15 186.97,31.04 187.02,30.9 187.05,30.74 187.06,30.54
Net-(D78-Pad2) on Bottom: 206.81,30.54 206.82,30.83 206.83,31.08 206.85,31.29 206.87,31.48 206.89,31.65 206.92,31.82 206.94,32 206.96,32.19 206.97,32.4 206.98,32.66 205.51,33.14 205.24,31.67 205.39,31.58 205.53,31.5 205.66,31.42 205.77,31.34 205.87,31.25 205.96,31.15 206.02,31.04 206.07,30.9 206.1,30.74 206.11,30.54
Net-(D79-Pad2) on Bottom: 225.86,30.54 225.87,30.83 225.88,31.08 225.9,31.29 225.92,31.48 225.94,31.65 225.97,31.82 225.99,32 226.01,32.19 226.02,32.4 226.03,32.66 224.56,33.14 224.29,31.67 224.44,31.58 224.58,31.5 224.71,31.42 224.82,31.34 224.92,31.25 225.01,31.15 225.07,31.04 225.12,30.9 225.15,30.74 225.16,30.54
Net-(D80-Pad2) on Bottom: 246.89,30.9 246.59,30.91 246.34,30.94 246.12,30.98 245.93,31.03 245.75,31.08 245.58,31.14 245.41,31.19 245.21,31.23 244.99,31.25 244.72,31.27 244.21,29.85 245.64,29.43 245.76,29.59 245.86,29.74 245.95,29.88 246.03,30.01 246.13,30.12 246.23,30.22 246.35,30.29 246.5,30.35 246.68,30.39 246.89,30.4
Net-(D80-Pad2) on Bottom: 261.58,30.54 261.59,30.83 261.6,31.08 261.62,31.29 261.64,31.48 261.66,31.65 261.69,31.82 261.71,32 261.73,32.19 261.74,32.4 261.75,32.66 260.28,33.14 260.01,31.67 260.16,31.58 260.3,31.5 260.43,31.42 260.54,31.34 260.64,31.25 260.72,31.15 260.79,31.04 260.84,30.9 260.87,30.74 260.88,30.54
Net-(D80-Pad2) on Bottom: 258.31,32.41 258.57,32.39 258.79,32.36 258.98,32.31 259.14,32.24 259.28,32.15 259.42,32.06 259.56,31.95 259.71,31.84 259.88,31.73 260.09,31.62 261.17,32.66 260.09,33.69 259.88,33.58 259.71,33.47 259.56,33.36 259.42,33.25 259.28,33.16 259.14,33.07 258.98,33 258.79,32.95 258.57,32.92 258.31,32.91
Net-(D81-Pad2) on Bottom: 278.25,30.54 278.25,30.83 278.27,31.08 278.29,31.29 278.31,31.48 278.33,31.65 278.36,31.82 278.38,32 278.4,32.19 278.41,32.4 278.42,32.66 276.95,33.14 276.68,31.67 276.83,31.58 276.97,31.5 277.1,31.42 277.21,31.34 277.31,31.25 277.39,31.15 277.46,31.04 277.51,30.9 277.54,30.74 277.55,30.54
Net-(D82-Pad2) on Bottom: 303.37,33 303.1,33.01 302.88,33.04 302.7,33.09 302.54,33.14 302.39,33.21 302.25,33.29 301.96,33.48 301.78,33.58 301.58,33.69 300.5,32.66 301.58,31.62 301.78,31.73 301.96,31.83 302.25,32.02 302.39,32.1 302.54,32.17 302.7,32.22 302.88,32.27 303.1,32.3 303.37,32.31
Net-(D83-Pad2) on Bottom: 321.11,30.54 321.12,30.83 321.13,31.08 321.15,31.29 321.17,31.48 321.19,31.65 321.22,31.82 321.24,32 321.26,32.19 321.27,32.4 321.28,32.66 319.81,33.14 319.54,31.67 319.69,31.58 319.83,31.5 319.96,31.42 320.07,31.34 320.17,31.25 320.26,31.15 320.32,31.04 320.37,30.9 320.4,30.74 320.41,30.54
Net-(D84-Pad2) on Bottom: 329.29,29.53 329.24,29.42 329.21,29.32 329.19,29.22 329.17,29.13 329.17,29.05 329.15,28.9 329.14,28.83 329.12,28.77 329.1,28.7 329.49,28.27 329.9,28.68 329.89,28.72 329.87,28.77 329.86,28.81 329.85,28.86 329.85,28.92 329.85,28.97 329.86,29.03 329.87,29.1 329.89,29.17 329.92,29.24
Net-(D84-Pad2) on Bottom: 330.02,29.41 330.23,29.64 330.45,29.77 330.66,29.83 330.88,29.82 331.1,29.76 331.33,29.65 331.57,29.52 331.81,29.37 332.06,29.22 332.33,29.08 333.4,30.12 331.91,30.81 331.7,30.59 331.47,30.46 331.23,30.4 330.98,30.38 330.73,30.38 330.47,30.37 330.21,30.34 329.96,30.25 329.71,30.09 329.47,29.83
Net-(D85-Pad2) on Bottom: 13.04,12.85 13.29,12.85 13.52,12.85 13.71,12.85 13.89,12.84 14.05,12.82 14.21,12.79 14.35,12.76 14.5,12.71 14.66,12.65 14.83,12.57 15.9,13.6 14.83,14.64 14.66,14.56 14.5,14.5 14.35,14.45 14.21,14.42 14.05,14.39 13.89,14.37 13.71,14.36 13.52,14.36 13.29,14.36 13.04,14.35
Net-(D85-Pad2) on Bottom: 15.24,14.35 14.98,14.36 14.76,14.36 14.56,14.36 14.38,14.37 14.22,14.39 14.07,14.42 13.92,14.45 13.77,14.5 13.61,14.56 13.45,14.64 12.37,13.6 13.45,12.57 13.61,12.65 13.77,12.71 13.92,12.76 14.07,12.79 14.22,12.82 14.38,12.84 14.56,12.85 14.76,12.85 14.98,12.85 15.24,12.85
Net-(D85-Pad2) on Bottom: 17.62,13.96 17.35,13.96 17.13,13.99 16.95,14.04 16.79,14.09 16.64,14.16 16.5,14.24 16.21,14.43 16.03,14.53 15.83,14.64 14.75,13.6 15.83,12.57 16.03,12.68 16.21,12.78 16.5,12.97 16.64,13.05 16.79,13.12 16.95,13.17 17.13,13.22 17.35,13.25 17.62,13.25
Net-(D86-Pad2) on Bottom: 36.85,12.85 37.1,12.85 37.33,12.85 37.53,12.85 37.7,12.84 37.87,12.82 38.02,12.79 38.17,12.76 38.32,12.71 38.47,12.65 38.64,12.57 39.72,13.6 38.64,14.64 38.47,14.56 38.32,14.5 38.17,14.45 38.02,14.42 37.87,14.39 37.7,14.37 37.53,14.36 37.33,14.36 37.1,14.36 36.85,14.35
Net-(D86-Pad2) on Bottom: 39.05,14.35 38.79,14.36 38.57,14.36 38.37,14.36 38.2,14.37 38.03,14.39 37.88,14.42 37.73,14.45 37.58,14.5 37.43,14.56 37.26,14.64 36.18,13.6 37.26,12.57 37.43,12.65 37.58,12.71 37.73,12.76 37.88,12.79 38.03,12.82 38.2,12.84 38.37,12.85 38.57,12.85 38.79,12.85 39.05,12.85
Net-(D86-Pad2) on Bottom: 41.43,13.96 41.17,13.96 40.95,13.99 40.76,14.04 40.6,14.09 40.45,14.16 40.31,14.24 40.02,14.43 39.84,14.53 39.64,14.64 38.56,13.6 39.64,12.57 39.84,12.68 40.02,12.78 40.31,12.97 40.45,13.05 40.6,13.12 40.76,13.17 40.95,13.22 41.17,13.25 41.43,13.25
Net-(D87-Pad2) on Bottom: 62.86,14.35 62.61,14.36 62.38,14.36 62.19,14.36 62.01,14.37 61.85,14.39 61.69,14.42 61.54,14.45 61.39,14.5 61.24,14.56 61.07,14.64 60,13.6 61.07,12.57 61.24,12.65 61.39,12.71 61.54,12.76 61.69,12.79 61.85,12.82 62.01,12.84 62.19,12.85 62.38,12.85 62.61,12.85 62.86,12.85
Net-(D87-Pad2) on Bottom: 65.24,13.96 64.98,13.96 64.76,13.99 64.57,14.04 64.41,14.09 64.27,14.16 64.13,14.24 63.83,14.43 63.66,14.53 63.45,14.64 62.38,13.6 63.45,12.57 63.66,12.68 63.83,12.78 64.13,12.97 64.27,13.05 64.41,13.12 64.57,13.17 64.76,13.22 64.98,13.25 65.24,13.25
Net-(D87-Pad2) on Bottom: 60.66,12.85 60.92,12.85 61.14,12.85 61.34,12.85 61.52,12.84 61.68,12.82 61.83,12.79 61.98,12.76 62.13,12.71 62.28,12.65 62.45,12.57 63.53,13.6 62.45,14.64 62.28,14.56 62.13,14.5 61.98,14.45 61.83,14.42 61.68,14.39 61.52,14.37 61.34,14.36 61.14,14.36 60.92,14.36 60.66,14.35
Net-(D88-Pad2) on Bottom: 127.9,11.69 127.61,11.7 127.36,11.73 127.15,11.78 126.96,11.84 126.8,11.91 126.63,11.98 126.46,12.04 126.27,12.11 126.06,12.16 125.8,12.21 125.11,10.88 126.47,10.25 126.61,10.4 126.74,10.55 126.85,10.68 126.96,10.81 127.06,10.92 127.18,11.01 127.32,11.09 127.48,11.14 127.67,11.18 127.9,11.19
Net-(D88-Pad2) on Bottom: 144.9,11.49 144.9,11.78 144.92,12.03 144.94,12.24 144.96,12.43 144.98,12.6 145.01,12.77 145.03,12.95 145.05,13.14 145.06,13.35 145.06,13.6 143.6,14.09 143.33,12.62 143.48,12.53 143.62,12.45 143.75,12.37 143.86,12.29 143.96,12.2 144.04,12.1 144.11,11.99 144.16,11.85 144.19,11.69 144.2,11.49
Net-(D88-Pad2) on Bottom: 141.62,13.35 141.89,13.34 142.11,13.31 142.3,13.26 142.46,13.19 142.6,13.1 142.73,13.01 142.87,12.9 143.03,12.79 143.2,12.68 143.41,12.57 144.49,13.6 143.41,14.64 143.2,14.53 143.03,14.42 142.87,14.31 142.73,14.2 142.6,14.11 142.46,14.02 142.3,13.95 142.11,13.9 141.89,13.87 141.62,13.85
Net-(D89-Pad2) on Bottom: 204.43,11.49 204.44,11.78 204.45,12.03 204.47,12.24 204.49,12.43 204.51,12.6 204.54,12.77 204.56,12.95 204.58,13.14 204.59,13.35 204.6,13.6 203.13,14.09 202.86,12.62 203.01,12.53 203.15,12.45 203.28,12.37 203.39,12.29 203.49,12.2 203.57,12.1 203.64,11.99 203.69,11.85 203.72,11.69 203.73,11.49
Net-(D90-Pad2) on Bottom: 227.17,14.1 226.91,14.11 226.69,14.13 226.5,14.16 226.33,14.2 226.18,14.25 226.04,14.31 225.89,14.38 225.57,14.54 225.38,14.64 224.3,13.6 225.38,12.57 225.57,12.67 225.89,12.83 226.04,12.9 226.18,12.96 226.33,13.01 226.5,13.05 226.69,13.08 226.91,13.1 227.17,13.1
Net-(D90-Pad2) on Bottom: 229.55,13.96 229.29,13.96 229.07,13.99 228.88,14.04 228.72,14.09 228.57,14.16 228.43,14.24 228.14,14.43 227.96,14.53 227.76,14.64 226.68,13.6 227.76,12.57 227.96,12.68 228.14,12.78 228.43,12.97 228.57,13.05 228.72,13.12 228.88,13.17 229.07,13.22 229.29,13.25 229.55,13.25
Net-(D90-Pad2) on Bottom: 224.97,13.1 225.23,13.1 225.45,13.08 225.64,13.05 225.8,13.01 225.95,12.96 226.1,12.9 226.24,12.83 226.56,12.67 226.76,12.57 227.83,13.6 226.76,14.64 226.56,14.54 226.24,14.38 226.1,14.31 225.95,14.25 225.8,14.2 225.64,14.16 225.45,14.13 225.23,14.11 224.97,14.1
Net-(D91-Pad2) on Bottom: 248.78,12.85 249.04,12.85 249.26,12.85 249.46,12.85 249.63,12.84 249.8,12.82 249.95,12.79 250.1,12.76 250.25,12.71 250.4,12.65 250.57,12.57 251.65,13.6 250.57,14.64 250.4,14.56 250.25,14.5 250.1,14.45 249.95,14.42 249.8,14.39 249.63,14.37 249.46,14.36 249.26,14.36 249.04,14.36 248.78,14.35
Net-(D91-Pad2) on Bottom: 250.98,14.35 250.73,14.36 250.5,14.36 250.3,14.36 250.13,14.37 249.96,14.39 249.81,14.42 249.66,14.45 249.51,14.5 249.36,14.56 249.19,14.64 248.12,13.6 249.19,12.57 249.36,12.65 249.51,12.71 249.66,12.76 249.81,12.79 249.96,12.82 250.13,12.84 250.3,12.85 250.5,12.85 250.73,12.85 250.98,12.85
Net-(D91-Pad2) on Bottom: 253.36,13.96 253.1,13.96 252.88,13.99 252.69,14.04 252.53,14.09 252.38,14.16 252.25,14.24 251.95,14.43 251.78,14.53 251.57,14.64 250.5,13.6 251.57,12.57 251.78,12.68 251.95,12.78 252.25,12.97 252.38,13.05 252.53,13.12 252.69,13.17 252.88,13.22 253.1,13.25 253.36,13.25
Net-(D92-Pad2) on Bottom: 274.79,14.35 274.54,14.36 274.31,14.36 274.12,14.36 273.94,14.37 273.78,14.39 273.62,14.42 273.48,14.45 273.33,14.5 273.17,14.56 273,14.64 271.93,13.6 273,12.57 273.17,12.65 273.33,12.71 273.48,12.76 273.62,12.79 273.78,12.82 273.94,12.84 274.12,12.85 274.31,12.85 274.54,12.85 274.79,12.85
Net-(D92-Pad2) on Bottom: 277.17,13.96 276.91,13.96 276.69,13.99 276.5,14.04 276.34,14.09 276.2,14.16 276.06,14.24 275.76,14.43 275.59,14.53 275.39,14.64 274.31,13.6 275.39,12.57 275.59,12.68 275.76,12.78 276.06,12.97 276.2,13.05 276.34,13.12 276.5,13.17 276.69,13.22 276.91,13.25 277.17,13.25
Net-(D92-Pad2) on Bottom: 272.59,12.85 272.85,12.85 273.07,12.85 273.27,12.85 273.45,12.84 273.61,12.82 273.76,12.79 273.91,12.76 274.06,12.71 274.22,12.65 274.38,12.57 275.46,13.6 274.38,14.64 274.22,14.56 274.06,14.5 273.91,14.45 273.76,14.42 273.61,14.39 273.45,14.37 273.27,14.36 273.07,14.36 272.85,14.36 272.59,14.35
Net-(D93-Pad2) on Bottom: 302.06,11.49 302.07,11.78 302.08,12.03 302.1,12.24 302.12,12.43 302.15,12.6 302.17,12.77 302.19,12.95 302.21,13.14 302.22,13.35 302.23,13.6 300.76,14.09 300.49,12.62 300.64,12.53 300.78,12.45 300.91,12.37 301.02,12.29 301.12,12.2 301.21,12.1 301.27,11.99 301.32,11.85 301.35,11.69 301.36,11.49
Net-(D94-Pad2) on Bottom: 321.11,11.49 321.12,11.78 321.13,12.03 321.15,12.24 321.17,12.43 321.19,12.6 321.22,12.77 321.24,12.95 321.26,13.14 321.27,13.35 321.28,13.6 319.81,14.09 319.54,12.62 319.69,12.53 319.83,12.45 319.96,12.37 320.07,12.29 320.17,12.2 320.26,12.1 320.32,11.99 320.37,11.85 320.4,11.69 320.41,11.49
Net-(D95-Pad2) on Bottom: 340.16,11.49 340.17,11.78 340.18,12.03 340.2,12.24 340.22,12.43 340.25,12.6 340.27,12.77 340.29,12.95 340.31,13.14 340.32,13.35 340.33,13.6 338.86,14.09 338.59,12.62 338.74,12.53 338.88,12.45 339.01,12.37 339.12,12.29 339.22,12.2 339.31,12.1 339.37,11.99 339.42,11.85 339.45,11.69 339.46,11.49
Net-(LED4-Pad2) on Bottom: 19.87,113.99 19.99,114.03 20.09,114.06 20.18,114.06 20.27,114.05 20.35,114.03 20.42,113.99 20.5,113.95 20.58,113.9 20.67,113.85 20.78,113.79 21.16,114.16 20.78,114.53 20.66,114.48 20.56,114.44 20.47,114.41 20.39,114.38 20.23,114.33 20.14,114.3 20.04,114.27 19.92,114.23 19.79,114.17

Small or netless copper shapes (teardrops, artwork), in the pictures only: 86 on Top, 461 on Bottom

## Text on the board
B.Silkscreen: GND | 3V3 | RESET | SWDIO | SWCLK | SWD | FUYU Rev1 / Designed for the F1-8K / ©️ Zykrah 2022 | BOOT
F.Silkscreen: JLCJLCJLCJLC | BOOT | FUYU Rev1 / Designed for the F1-8K / https://github.com/zykrah/fuyu / ©️ Zykrah 2022
